# Altium PCB Ocreeb MK 2 _core _pcb.PcbDoc (part 1 of 2) (continued)
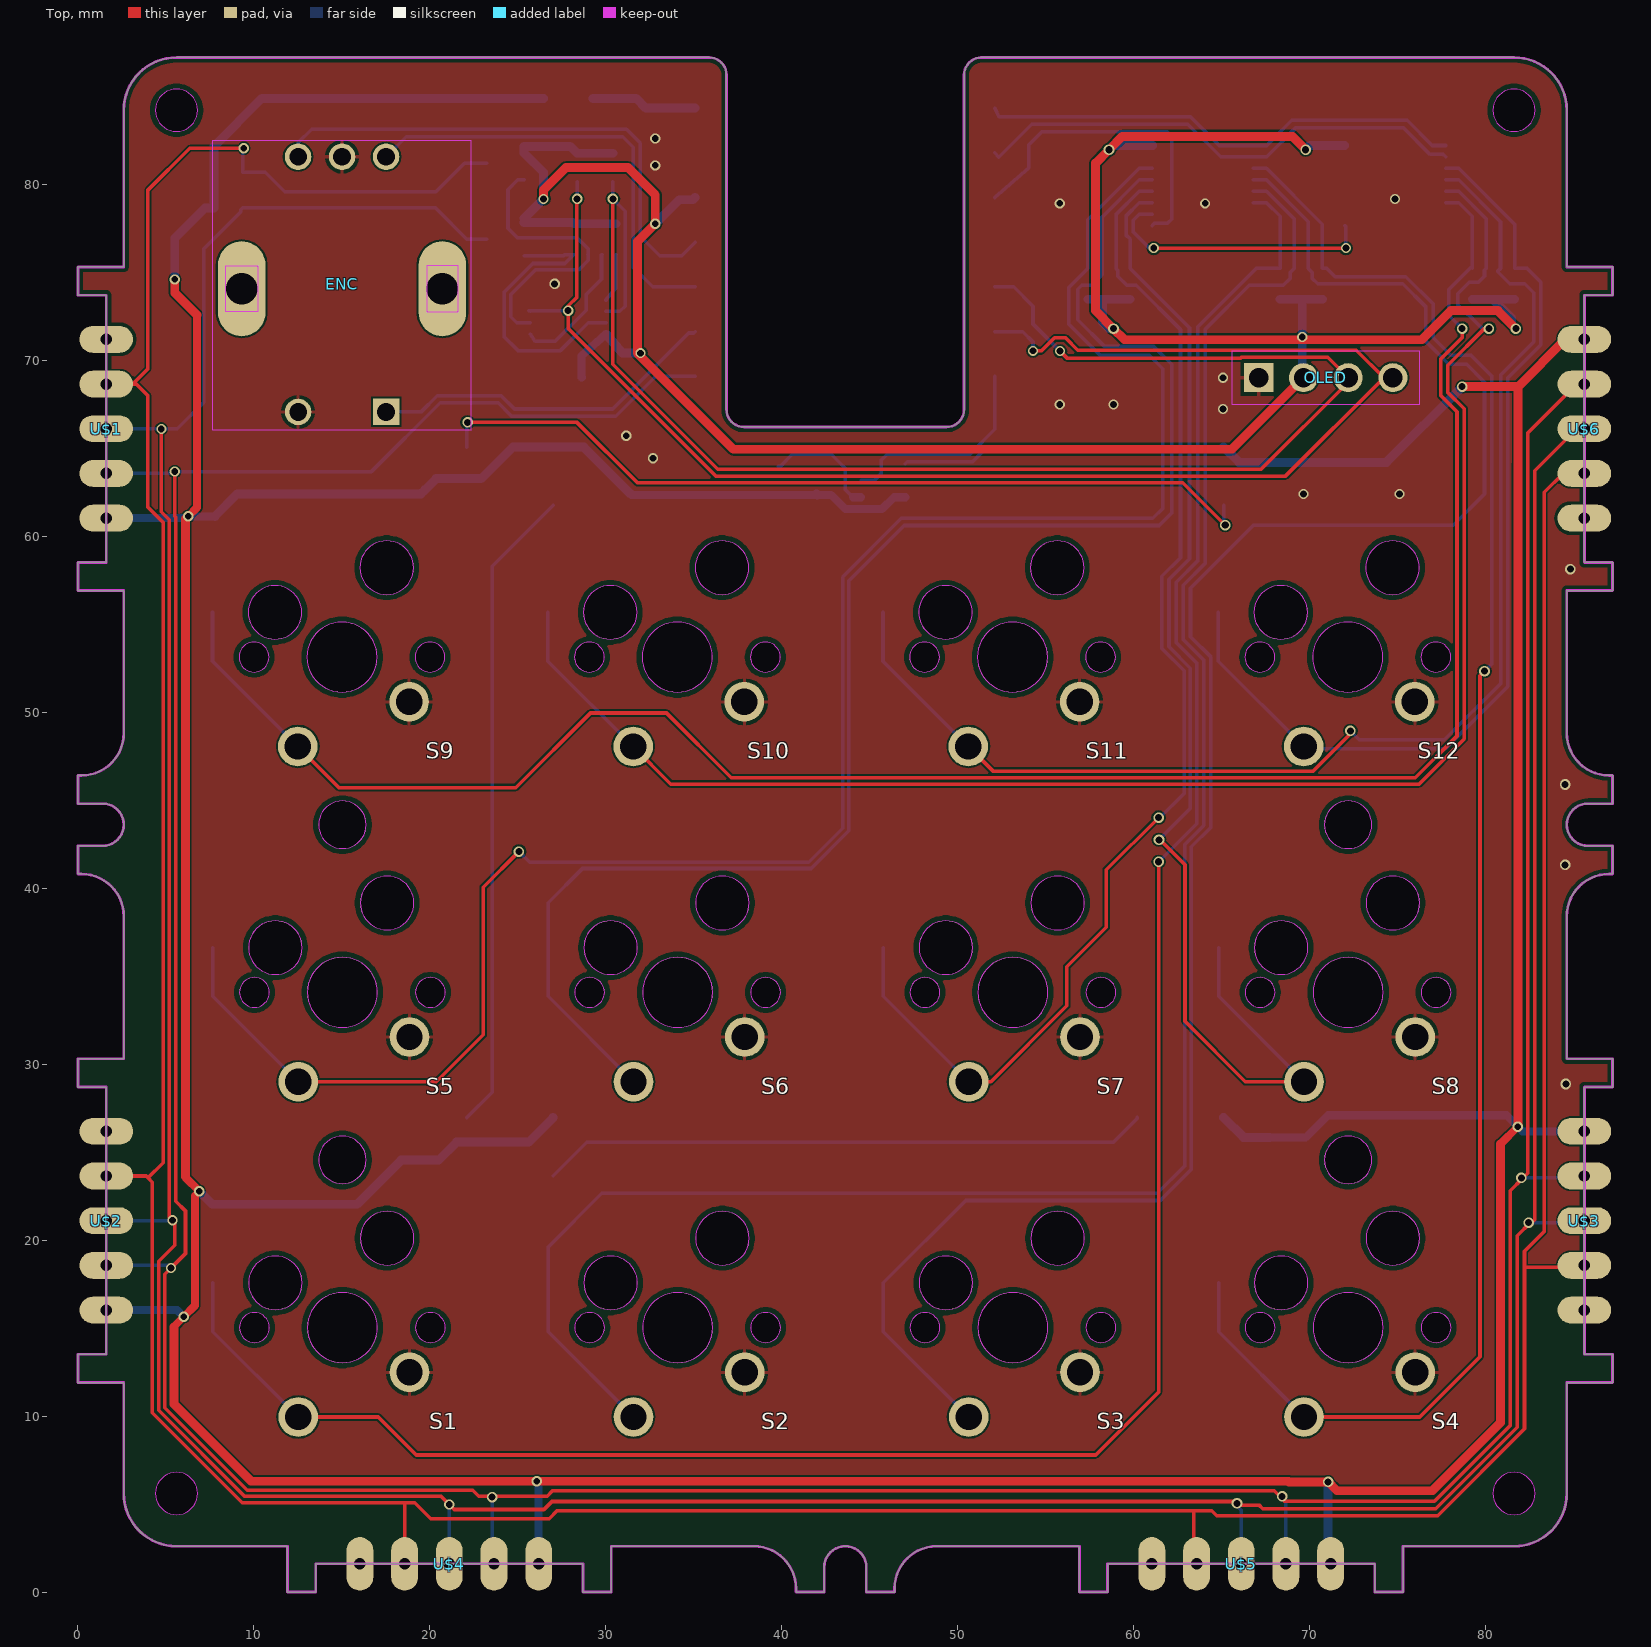
[diagram p0: Top view]
## Footprints (in the part's own frame and the unit in brackets; to place one, negate y for a bottom-side part, rotate by r counter-clockwise, add the part's x,y. Pads: shape width x height; smd on the part's side, far side on the other; paste and mask are expansions set on the pad)
5_POGO_EDGE [mil] "5_POGO_EDGE"
  oval 60x120 hole 25.59: 1(-200,0) 2(-100,0) 3(0,0) 4(100,0) 5(200,0)
1206 [mm] "1206"
  rect 1.6x1.8 smd: 1(-1.4,0) 2(1.4,0)
  Top keep-out lines w0.051: 2.4,-1.1 2.4,1.1 -2.4,1.1 -2.4,-1.1 2.4,-1.1
61300411121 [mm] "61300411121"
  rect 1.65x1.65 / inner round 1.525 / far side rect 1.65x1.65 hole 1.1: 1(-3.81,0)
  round 1.65 hole 1.1: 2(-1.27,0) 3(1.27,0) 4(3.81,0)
  Top keep-out lines w0.05: -5.33,-1.52 5.33,-1.52 5.33,1.52 -5.33,1.52 -5.33,-1.52
CAPC1608X85 [mil] "CAPC1608X85"
  rect 36.26x38.2 smd: 1(-30.5,0) 2(30.5,0)
MOUDLE14P-SMD-2.54-21X17.8MM [mm] "MOUDLE14P-SMD-2.54-21X17.8MM"
  rrect50% 2.75x2 smd: 1(0.403,18.12) 2(0.403,15.58) 3(0.403,13.04) 4(0.403,10.5) 5(0.403,7.96) 6(0.403,5.42) 7(0.403,2.88) 8(17.432,2.88) 9(17.432,5.42) 10(17.432,7.96) 11(17.432,10.5) 12(17.432,13.04) 13(17.432,15.58) 14(17.432,18.12)
  Top keep-out region: 0,0 0,20.955 17.653,20.955 17.653,0
  Top keep-out region: 12.319,18.415 12.319,21.082 14.097,21.082 14.097,18.415
  Top keep-out region: 12.319,14.351 12.319,17.018 14.097,17.018 14.097,14.351
  Top keep-out region: 3.683,14.351 3.683,17.018 5.461,17.018 5.461,14.351
  Top keep-out region: 3.683,18.415 3.683,21.082 5.461,21.082 5.461,18.415
  Top keep-out region: 6.35,0.635 6.35,3.175 12.065,3.175 12.065,0.635
  Top keep-out region: 6.35,17.78 6.35,20.32 11.43,20.32 11.43,17.78
  silkscreen extent -2.03,17.91 -1.52,18.41
PEC11R-4215F-S0024 [mm] "PEC11R-4215F-S0024"
  rect 1.508x1.508 / inner round 1.393 / far side rect 1.508x1.508 hole 1: 1(-2.5,7)
  round 1.508 hole 1: 2(2.5,7) A(-2.5,-7.5) B(2.5,-7.5) C(0,-7.5)
  oval 2.7x5.4 hole 1.8: P1(-5.7,0) P2(5.7,0)
  Top keep-out lines w0.05: 7.35,8 -7.35,8 -7.35,-8.45 7.35,-8.45 7.35,8
RESC1608X60 [mm] "RESC1608X60"
  rect 0.799x0.974 smd: 1(-0.815,0) 2(0.815,0)
RESCAF80P320X160X60-8N [mm] "RESCAF80P320X160X60-8N"
  rrect25% 0.97x0.53 smd: 1(-0.875,1.2) 2(-0.875,0.4) 3(-0.875,-0.4) 4(-0.875,-1.2) 5(0.875,-1.2) 6(0.875,-0.4) 7(0.875,0.4) 8(0.875,1.2)
  Top keep-out lines w0.05: 1.61,1.95 1.61,-1.95 -1.61,-1.95 -1.61,1.95 1.61,1.95
SOP65P490X110-8N [mil] "SOP65P490X110-8N"
  rrect25% 60x16.5 smd: 1(-84.65,38.39) 2(-84.65,12.8) 3(-84.65,-12.8) 4(-84.65,-38.39) 5(84.65,-38.39) 6(84.65,-12.8) 7(84.65,12.8) 8(84.65,38.39)
  Top keep-out lines w1.97: -123.43,68.9 -123.43,-68.9 123.43,-68.9 123.43,68.9 -123.43,68.9
SOP65P640X120-16N [mil] "SOP65P640X120-16N"
  rrect25% 60x15 smd: 1(-112.99,89.57) 2(-112.99,63.98) 3(-112.99,38.39) 4(-112.99,12.8) 5(-112.99,-12.8) 6(-112.99,-38.39) 7(-112.99,-63.98) 8(-112.99,-89.57) 9(112.99,-89.57) 10(112.99,-63.98) 11(112.99,-38.39) 12(112.99,-12.8) 13(112.99,12.8) 14(112.99,38.39) 15(112.99,63.98) 16(112.99,89.57)
  Top keep-out lines w1.97: 153.74,-108.27 153.74,108.27 -153.74,108.27 -153.74,-108.27 153.74,-108.27
SOT95P240X111-3N [mm] "SOT95P240X111-3N"
  rrect25% 1.23x0.6 smd: 1(-1.06,0.95) 2(-1.06,-0.95) 3(1.06,0)
  Top keep-out lines w0.05: 1.925,-1.7 1.925,1.7 -1.925,1.7 -1.925,-1.7 1.925,-1.7
SOT95P280X145-5N [mm] "SOT95P280X145-5N"
  rrect50% 1.21x0.59 smd: 1(-1.255,0.95) 2(-1.255,0) 3(-1.255,-0.95) 4(1.255,-0.95) 5(1.255,0.95)
  Top keep-out lines w0.05: -2.11,1.7 -2.11,-1.7 2.11,-1.7 2.11,1.7 -2.11,1.7
WS2812B [mm] "WS2812B"
  rect 1.5x0.9 smd: 1(-2.45,1.65) 2(-2.45,-1.65) 3(2.45,-1.65) 4(2.45,1.65)
? [mm] "CHERRY_MX1A-11NN_SWITCH"
  rect 2.55x2.5 smd far side: 1(-6.09,-5.08) 2(7.36,-2.54)
  round 2.25 hole 1.5: 1_ALT(-3.81,2.54) 2_ALT(2.51,5.08)

## Part data
C1 C2 C3 C4 C5 C6: library part CAPC1608X85, PackageName=CAPC1608X85, OriginalSource=Eagle
ENC: library part PEC11R-4215F-S0024, PackageName=PEC11R-4215F-S0024, OriginalSource=Eagle
F1: library part 1206, PackageName=1206, OriginalSource=Eagle
Q1 Q2: library part SOT95P240X111-3N, PackageName=SOT95P240X111-3N, OriginalSource=Eagle
R1 R2 R3 R4 R5: library part RESC1608X60, PackageName=RESC1608X60, OriginalSource=Eagle
RN1 RN2 RN3 RN4: library part RESCAF80P320X160X60-8N, PackageName=RESCAF80P320X160X60-8N, OriginalSource=Eagle
S1 S2 S3 S4 S5 S6 S7 S8 S9 S10 S11 S12: library part CHERRY_MX1A-11NN_SWITCH, PackageName=CHERRY_MX1A-11NN_SWITCH, OriginalSource=Eagle
U1: library part MOUDLE14P-SMD-2.54-21X17.8MM, PackageName=MOUDLE14P-SMD-2.54-21X17.8MM, OriginalSource=Eagle
U2 U3: library part SOP65P640X120-16N, PackageName=SOP65P640X120-16N, OriginalSource=Eagle
U4: library part SOP65P490X110-8N, PackageName=SOP65P490X110-8N, OriginalSource=Eagle
U5: library part SOT95P280X145-5N, PackageName=SOT95P280X145-5N, OriginalSource=Eagle
U$1 U$2 U$3 U$4 U$5 U$6: library part 5_POGO_EDGE, PackageName=5_POGO_EDGE, OriginalSource=Eagle
LED1 LED2 LED3 LED4: PackageName=WS2812B, OriginalSource=Eagle
OLED: PackageName=61300411121, OriginalSource=Eagle

## Free pads (board coordinates)
  round 3.988 hole 3.988 unplated: MH1(15.005,53.125) MH1(15.025,15.025) MH1(15.025,34.075) MH1(34.055,53.125) MH1(34.075,15.025) MH1(34.075,34.075) MH1(53.105,53.125) MH1(53.125,15.025) MH1(53.125,34.075) MH1(72.155,53.125) MH1(72.175,15.025) MH1(72.175,34.075)
  round 2.7 hole 2.7 unplated: MH1(72.175,43.6) MH2(15.025,43.6) MH3(15.025,24.55) MH4(72.175,24.55)
  round 1.7 hole 1.7 unplated: MH2(10.005,53.125) MH2(10.025,15.025) MH2(10.025,34.075) MH2(29.055,53.125) MH2(29.075,15.025) MH2(29.075,34.075) MH2(48.105,53.125) MH2(48.125,15.025) MH2(48.125,34.075) MH2(67.155,53.125) MH2(67.175,15.025) MH2(67.175,34.075) MH3(20.005,53.125) MH3(20.025,15.025) MH3(20.025,34.075) MH3(39.055,53.125) MH3(39.075,15.025) MH3(39.075,34.075) MH3(58.105,53.125) MH3(58.125,15.025) MH3(58.125,34.075) MH3(77.155,53.125) MH3(77.175,15.025) MH3(77.175,34.075)
  round 3.048 hole 3.048 unplated: MH4(17.545,58.205) MH4(17.565,20.105) MH4(17.565,39.155) MH4(36.595,58.205) MH4(36.615,20.105) MH4(36.615,39.155) MH4(55.645,58.205) MH4(55.665,20.105) MH4(55.665,39.155) MH4(74.695,58.205) MH4(74.715,20.105) MH4(74.715,39.155) MH5(11.195,55.665) MH5(11.215,17.565) MH5(11.215,36.615) MH5(30.245,55.665) MH5(30.265,17.565) MH5(30.265,36.615) MH5(49.295,55.665) MH5(49.315,17.565) MH5(49.315,36.615) MH5(68.345,55.665) MH5(68.365,17.565) MH5(68.365,36.615)

## Via types
v1: diameter 0.581/0.581 (per signal layer), hole 0.381, Top to Bottom, 33 vias
v2: diameter 0.6/0.6 (per signal layer), hole 0.4, Top to Bottom, 29 vias

## Nets (pads, with @x,y where several pads share a name; then routed paths per layer and width w, separated by ;. In a path a pad name is that pad's centre, name@x,y a point inside that pad or via, vN(x,y) a via of type N, cw(c..) or ccw(c..) an arc to the next point about the centre after c; other vN are vias at no path point)
3.3V: C5.2 OLED.2 Q1.1 Q2.1 R3.2 R4.2 RN1.5 RN1.6 RN1.7 RN1.8 RN2.5 RN2.6 RN2.7 RN2.8 RN3.5 RN3.6 RN3.7 RN3.8 RN4.5 RN4.6 RN4.7 RN4.8 U1.12 U2.16 U3.16 U4.8 | length 151.5
  Top w0.508: v1(26.455,79.16) 26.455,79.668 27.725,80.938 31.261,80.938 32.802,79.398 v1(32.802,77.747) 31.786,76.731 v1@31.786,70.397 ; v1(31.969,70.397) v1@31.786,70.397 ; v1(69.565,71.315) v1@69.565,71.159 ; OLED.2@69.635,69 65.571,64.936 37.247,64.936 v1@31.786,70.397 ; v2(69.762,81.954) 69,82.716 59.348,82.716 v2(58.586,81.954) 57.824,81.192 57.824,72.81 v2(58.84,71.794) 59.475,71.159 v1@69.565,71.159 ; v2(81.7,71.794) 80.684,72.81 78.017,72.81 76.366,71.159 v1@69.565,71.159
  Bottom w0.457: Q2.1@25.356,77.824 Q2.1@25.356,78.061 ; C5.2@28.627,69 28.605,69.022 28.605,70.226 U4.8@30.002,71.468
  Bottom w0.508: Q2.1@25.356,77.824 28.101,77.824 RN4.5@28.176,77.749 RN4.6@28.976,77.749 RN4.7@29.776,77.749 RN4.8@30.576,77.749 ; Q2.1@25.356,78.061 v1(26.455,79.16) 26.455,80.661 25.356,81.76 Q1.1@25.356,82.142 27.971,82.142 R3.2@28.36,81.753 R4.2@30.392,81.753 ; U4.8@30.002,71.468 30.946,70.397 v1(31.969,70.397) ; v1(32.802,77.747) 34.168,79.113 34.941,79.113 U1.12@35.068,79.24 ; RN2.8@57.386,73.459 RN2.7@58.186,73.459 RN2.7@58.205,73.459 ; v2(58.586,81.954) 58.829,82.197 U2.16@61.05,82.197 ; v2(58.84,71.794) 58.586,71.794 58.205,72.175 RN2.7@58.205,73.459 ; RN2.5@59.786,73.459 RN2.6@58.986,73.459 RN2.7@58.205,73.459 ; RN1.8@68.308,73.459 RN1.7@69.108,73.459 69.565,73.459 ; OLED.2@69.635,69 69.635,69.635 69.565,69.705 v1(69.565,71.315) 69.565,73.459 ; v2(69.762,81.954) 70.005,82.197 U3.16@71.972,82.197 ; RN1.5@70.708,73.459 RN1.6@69.908,73.459 69.565,73.459 ; RN3.8@79.23,73.459 RN3.7@80.03,73.459 80.384,73.459 ; RN3.5@81.63,73.459 RN3.6@80.83,73.459 80.384,73.459 ; v2(81.7,71.794) 81.446,72.048 81.446,72.397 80.384,73.459
5V: C1.2 C2.2 C3.2 C4.2 C6.2 F1.2 LED1.1 LED2.1 LED3.1 LED4.1 R1.2 R2.2 R5.2 U5.5 U$1.1 U$2.1 U$3.1 U$4.1 U$5.1 U$6.1 | length 363.6
  Top w0.457: 5.444,15.074 v1@6.008,15.638 ; v1(6.011,15.638) v1@6.008,15.638 ; 6.11,23.612 6.11,23.559 v1(6.897,22.772) 6.643,22.518 6.643,16.273 v1@6.008,15.638 ; v1(6.262,61.126) 6.77,61.634 6.77,72.556 ; 80.824,25.452 v1(81.814,26.442)
  Top w0.508: 5.444,15.074 5.444,10.686 9.836,6.294 v1(26.074,6.294) 68.773,6.294 68.805,6.262 v2(71.032,6.262) 71.54,5.754 76.955,5.754 80.824,9.623 80.824,25.452 ; v1(5.5,74.588) 5.5,73.826 6.77,72.556 ; 6.11,23.612 6.11,60.974 v1(6.262,61.126) ; v2(78.652,68.492) 81.827,68.492 ; v1(81.814,26.442) 81.814,64.111 81.827,64.124 81.827,68.492 ; U$6.1@85.6,71.18 84.515,71.18 81.827,68.492
  Bottom w0.457: U$1.1@1.6,61.02 6.156,61.02 v1(6.262,61.126) 7.786,61.126 ; U$2.1@1.61,16.02 5.626,16.02 6.008,15.638 v1(6.011,15.638) ; v1(26.074,6.294) 26.18,6.188 U$4.1@26.18,1.6 ; 31.421,62.383 31.461,62.343 R5.2@39.79,62.343 39.798,62.335 42.006,62.335 42.799,62.335 43.602,61.532 45.689,61.532 46.365,62.208 U5.5@47.014,62.208 ; C4.2@67.73,25.833 69.749,25.833 69.762,25.82 71.032,27.09 81.167,27.09 v1(81.814,26.442) 82.077,26.18 U$3.1@85.599,26.18
  Bottom w0.508: v1(5.5,74.588) 5.5,76.927 7.225,78.652 R2.2@7.733,78.652 R1.2@7.733,80.684 7.733,82.155 10.453,84.875 F1.2@26.452,84.875 ; v1(6.897,22.772) 7.635,22.034 15.857,22.034 18.36,24.537 C3.2@19.724,24.537 20.486,24.537 21.515,25.566 25.604,25.566 LED3.1@27,26.962 ; 7.786,61.126 9.056,62.396 19.483,62.396 C2.2@19.724,62.637 20.356,63.269 22.916,63.269 24.709,65.062 LED2.1@27,65.062 28.742,65.062 31.421,62.383 ; C6.2@41.957,62.383 C6.2@42.006,62.335 ; LED4.1@65.1,26.962 66.229,25.833 C4.2@67.73,25.833 ; LED1.1@65.1,65.062 65.975,64.187 C1.2@67.476,64.187 74.347,64.187 v2(78.652,68.492) ; v2(71.032,6.262) 71.032,1.748 U$5.1@71.18,1.6
CLK: U1.2 U2.2 U3.2 | length 28.7
  Bottom w0.203: U1.2@52.097,81.78 52.322,81.532 54.202,83.412 63.067,83.412 64.932,81.547 U2.2@66.79,81.547 67.545,81.547 69.213,83.215 75.3,83.215 76.828,81.687 77.572,81.687 U3.2@77.712,81.547
ENC_A: ENC.A U1.10 | length 25.6
  Bottom w0.203: ENC.A@17.505,81.555 18.646,82.696 30.949,82.696 31.552,82.093 31.552,75.263 32.655,74.16 U1.10@35.068,74.16
ENC_B: ENC.B U1.11 | length 30.1
  Bottom w0.203: ENC.B@12.505,81.555 12.505,82.355 13.278,83.128 31.164,83.128 31.959,82.333 31.959,77.032 33.052,75.938 34.306,75.938 U1.11@35.068,76.7
ENC_SW: ENC.1 U1.9 | length 20.1
  Bottom w0.203: ENC.1@17.505,67.055 19.49,67.055 20.419,67.984 24.042,67.984 24.804,67.222 30.392,67.222 34.71,71.54 34.988,71.54 U1.9@35.068,71.62
GND: C1.1 C2.1 C3.1 C4.1 C5.1 C6.1 ENC.2 ENC.C LED1.3 LED2.3 LED3.3 LED4.3 OLED.1 S1.1 S1.1_ALT S2.1 S2.1_ALT S3.1 S3.1_ALT S4.1 S4.1_ALT S5.1 S5.1_ALT S6.1 S6.1_ALT S7.1 S7.1_ALT S8.1 S8.1_ALT S9.1 S9.1_ALT S10.1 S10.1_ALT S11.1 S11.1_ALT S12.1 S12.1_ALT U1.13 U2.8 U2.15 U3.8 U3.10 U3.11 U3.12 U3.13 U3.14 U3.15 U4.4 U5.3 U$1.5 U$2.5 U$3.5 U$4.5 U$5.5 U$6.5
  other v1: 69.635,62.396 75.096,62.396 32.678,64.428 31.154,65.698 65.063,67.222 55.792,67.476 58.84,67.476 65.063,69 55.792,78.906 64.047,78.906 74.842,79.16 32.805,81.065 32.805,82.589
  other v2: 84.545,28.868 84.507,41.314 84.507,45.886 84.799,58.121 27.087,74.334
INTR: U1.8 U$1.2 U$2.2 U$3.2 U$4.2 U$5.2 U$6.2 | length 247.6
  Top w0.203: v1(5.5,63.666) 5.5,61.121 5.551,61.07 5.551,22.208 6.11,21.649 6.11,19.238 v1(5.286,18.414) 4.936,18.064 4.936,10.476 9.626,5.786 22.436,5.786 22.772,5.449 v2@23.534,5.449 ; v2(23.534,5.395) v2@23.534,5.449 ; v2(68.419,5.431) v2@68.419,5.297 ; v2(82.021,23.534) 82.053,23.534 v2@82.081,23.506 ; U$6.2@85.6,68.64 85.168,68.64 82.386,65.858 82.386,63.892 82.373,63.88 82.373,23.798 v2@82.081,23.506 ; v2@23.534,5.449 26.665,5.449 26.963,5.748 67.968,5.748 v2@68.419,5.297 ; v2@68.419,5.297 68.558,5.158 77.077,5.158 81.383,9.463 81.383,22.801 82.081,23.499 v2@82.081,23.506
  Bottom w0.203: U$1.2@1.6,63.56 5.394,63.56 v1(5.5,63.666) 16.676,63.666 20.588,67.578 23.874,67.578 24.636,66.816 30.561,66.816 32.825,69.08 U1.8@35.068,69.08 ; U$2.2@1.61,18.56 5.14,18.56 v1(5.286,18.414) ; v2(23.534,5.395) 23.534,1.706 U$4.2@23.64,1.6 ; v2(68.419,5.431) 68.455,5.395 68.502,5.395 68.64,5.257 U$5.2@68.64,1.6 ; v2(82.021,23.534) 85.493,23.534 U$3.2@85.599,23.64
LD: U1.1 U2.1 U3.1 | length 27.8
  Bottom w0.203: U1.1@52.097,84.32 52.341,83.818 63.236,83.818 64.857,82.197 U2.1@66.79,82.197 67.552,82.197 68.976,83.621 75.526,83.621 76.95,82.197 U3.1@77.712,82.197
N$1: RN4.1 U4.5 | length 2.8
  Bottom w0.203: U4.5@30.002,73.418 30.549,74.092 30.549,75.972 RN4.1@30.576,75.999
N$2: R5.1 U5.1 | length 6.7
  Bottom w0.203: R5.1@39.79,63.973 39.917,63.973 40.591,64.647 42.802,64.647 43.6,63.849 43.6,62.65 U5.1@44.042,62.208
  Bottom w0.457: U5.1@44.042,62.208 U5.1@44.504,62.208
N$3: LED1.2 LED2.4 | length 48.1
  Top w0.203: v2(22.137,66.46) 28.36,66.46 31.789,63.031 62.777,63.031 v2(65.19,60.618)
  Bottom w0.203: LED2.4@22.1,65.062 22.1,66.423 v2(22.137,66.46) ; LED1.2@65.1,61.762 65.1,60.708 v2(65.19,60.618)
N$12: LED2.2 LED3.4 | length 36.8
  Bottom w0.203: LED3.4@22.1,26.962 23.534,28.396 23.534,58.296 LED2.2@27,61.762
N$13: LED3.2 LED4.4 | length 34.6
  Bottom w0.203: LED3.2@27,23.662 28.904,25.566 58.84,25.566 60.2,26.926 LED4.4@60.2,26.962
N$15: RN4.2 U4.1 | length 7.7
  Bottom w0.203: U4.1@25.702,71.468 25.978,71.065 27.108,71.065 28.886,72.843 28.886,73.728 29.749,74.591 29.749,75.972 RN4.2@29.776,75.999
PIXEL: U1.7 U5.2 | length 12.3
  Bottom w0.203: U5.2@44.504,63.158 45.251,63.158 45.632,63.539 45.632,64.301 45.988,64.657 50.687,64.657 52.097,66.067 U1.7@52.097,69.08
PIXEL_5V: LED1.4 U5.4 | length 13.6
  Bottom w0.203: U5.4@47.014,64.108 47.141,64.235 50.84,64.235 51.667,65.062 LED1.4@60.2,65.062
SCL: OLED.4 R3.1 U1.6 U4.3 | length 87.6
  Top w0.203: v2(28.36,79.16) 28.351,79.151 28.351,73.582 27.852,73.082 v2(27.852,72.81) 27.852,71.794 36.234,63.412 68.619,63.412 OLED.4@74.207,69 ; v1(54.268,70.524) 54.753,70.524 55.492,71.263 56.113,71.263 56.81,70.566 72.641,70.566 OLED.4@74.207,69 ; OLED.4@74.715,69 OLED.4@74.207,69
  Bottom w0.203: U4.3@25.702,72.768 25.617,72.81 v2(27.852,72.81) ; v2(28.36,79.16) R3.1@28.36,80.123 ; U1.6@52.097,71.62 53.68,71.62 54.268,71.032 v1(54.268,70.524)
SCL_OUT: Q1.2 RN4.3 U4.2 | length 16.8
  Bottom w0.203: Q1.2@25.356,80.242 24.997,80.242 24.436,79.681 24.436,77.496 24.973,76.959 28.358,76.959 29,76.318 29,76.023 RN4.3@28.976,75.999 29,75.975 29,75.669 28.466,75.135 25.994,75.135 24.586,73.728 24.586,72.458 24.926,72.118 U4.2@25.702,72.118
SCL_OUT_5V: Q1.3 R1.1 U$1.4 U$2.4 U$3.4 U$4.4 U$5.4 U$6.4 | length 247.1
  Top w0.203: U$1.4@1.6,68.64 U$1.4@3.108,68.64 ; U$2.4@1.61,23.64 3.87,23.64 3.976,23.534 ; v1(9.425,82.039) 6.347,82.039 3.976,79.668 3.976,69.508 U$1.4@3.108,68.64 ; U$4.4@18.56,1.6 18.56,5.045 18.59,5.075 ; U$5.4@63.56,1.6 63.412,1.748 63.412,4.611 ; U$3.4@85.599,18.56 85.493,18.454 82.195,18.454 ; U$6.4@85.6,63.56 84.388,63.56 83.313,62.485 83.313,20.486 82.195,19.369 82.195,18.454 ; U$1.4@3.108,68.64 3.32,68.64 3.976,67.984 3.976,61.639 4.84,60.776 4.84,24.398 3.976,23.534 ; 3.976,23.534 4.225,23.285 4.225,10.181 9.331,5.075 18.59,5.075 ; 18.59,5.075 19.134,5.075 20.042,4.167 26.773,4.167 27.217,4.611 63.412,4.611 ; 63.412,4.611 64.428,4.611 64.708,4.332 77.257,4.332 82.195,9.27 82.195,18.454
  Bottom w0.203: v1(9.425,82.039) 9.363,81.977 R1.1@9.363,80.684 10.633,80.684 11.751,79.567 20.341,79.567 21.966,81.192 Q1.3@23.236,81.192
SDA: OLED.3 R4.1 U1.5 U4.6 | length 87.4
  Top w0.203: v2(30.392,79.16) 30.392,78.342 30.385,78.335 30.385,69.764 36.356,63.793 67.222,63.793 72.175,68.746 OLED.3@72.175,69 71.016,70.16 66.114,70.16 66.072,70.118 56.199,70.118 v1(55.803,70.514)
  Bottom w0.203: U4.6@30.002,72.768 30.794,72.768 31.095,73.069 31.095,78.457 v2(30.392,79.16) R4.1@30.392,80.123 ; U1.5@52.097,74.16 53.172,74.16 54.268,73.064 54.268,72.048 v1(55.803,70.514)
SDA_OUT: Q2.2 RN4.4 U4.7 | length 17
  Bottom w0.203: Q2.2@25.356,75.924 27.593,75.924 27.668,75.999 RN4.4@28.176,75.999 27.668,75.491 25.846,75.491 24.231,73.875 24.231,71.315 25.003,70.542 27.414,70.542 28.99,72.118 U4.7@30.002,72.118
SDA_OUT_5V: Q2.3 R2.1 U$1.3 U$2.3 U$3.3 U$4.3 U$5.3 U$6.3 | length 243.8
  Top w0.203: v1(4.738,66.086) 4.738,61.38 5.195,60.923 5.195,21.299 v1(5.373,21.121) 5.5,20.994 5.5,19.706 4.581,18.787 4.581,10.328 9.479,5.43 20.639,5.43 v1(21.099,4.97) 21.381,4.687 26.477,4.687 26.935,5.145 65.606,5.145 65.809,4.941 v2@65.86,4.941 ; v2(65.86,5.04) v2@65.86,4.941 ; v2(82.427,20.994) v2@82.538,20.994 ; U$6.3@85.6,66.1 85.168,66.1 82.78,63.712 82.78,21.153 82.64,21.013 82.64,20.994 v2@82.538,20.994 ; v2@65.86,4.941 67.11,4.941 67.328,4.723 77.146,4.723 81.789,9.367 81.789,20.245 v2@82.538,20.994
  Bottom w0.203: U$1.3@1.6,66.1 v1@4.724,66.1 ; U$2.3@1.61,21.1 5.352,21.1 v1(5.373,21.121) ; v1(4.738,66.086) v1@4.724,66.1 ; v1(21.099,4.97) 21.1,4.969 U$4.3@21.1,1.6 ; Q2.3@23.236,76.874 22.093,76.874 20.315,78.652 R2.1@9.363,78.652 9.25,78.539 9.25,78.421 7.142,76.313 7.142,67.594 5.648,66.1 v1@4.724,66.1 ; v2(65.86,5.04) 65.86,4.881 66.1,4.641 U$5.3@66.1,1.6 ; v2(82.427,20.994) 85.493,20.994 U$3.3@85.599,21.1
SER: U2.10 U3.9 | length 15.7
  Top w0.203: v1(61.126,76.366) v1(72.048,76.366)
  Bottom w0.203: U2.10@61.05,78.297 61.037,78.284 60.296,78.284 59.96,77.948 59.96,77.278 60.872,76.366 v1(61.126,76.366) ; U3.9@71.972,77.647 72.048,77.571 v1(72.048,76.366)
SH_DATA: U1.3 U2.9 | length 18.3
  Bottom w0.203: U1.3@52.097,79.24 54.014,80.919 54.014,82.208 54.776,82.97 61.888,82.97 62.142,82.716 62.142,77.998 61.931,77.787 61.19,77.787 U2.9@61.05,77.647
SW1: RN1.1 S1.2 S1.2_ALT U2.6 | length 134.2
  Top w0.203: S1.2_ALT@12.515,9.945 17.057,9.945 19.216,7.786 57.824,7.786 61.406,11.368 v2(61.406,41.496)
  Bottom w0.203: S1.2@7.665,17.565 7.665,14.795 S1.2_ALT@12.515,9.945 ; v2(61.406,41.496) 63.565,43.655 63.565,52.79 62.402,53.952 62.402,57.378 63.639,58.615 63.639,71.904 66.944,75.209 RN1.1@68.308,75.209 68.308,78.17 67.531,78.947 U2.6@66.79,78.947
SW2: RN1.2 S2.2 S2.2_ALT U2.5 | length 111.2
  Bottom w0.203: S2.2_ALT@31.565,9.945 26.715,14.795 S2.2@26.715,17.565 26.715,19.603 29.765,22.653 61.33,22.653 62.901,24.224 62.901,42.488 63.971,43.558 63.971,52.958 62.809,54.121 62.809,57.21 64.045,58.446 64.045,71.735 66.559,74.249 68.49,74.249 68.878,74.637 68.878,74.979 RN1.2@69.108,75.209 69.108,78.02 67.531,79.597 U2.5@66.79,79.597
SW3: RN1.3 S3.2 S3.2_ALT U2.4 | length 109.9
  Bottom w0.203: S3.2_ALT@50.615,9.945 45.765,14.795 S3.2@45.765,17.565 50.447,22.247 61.499,22.247 63.256,24.005 63.256,42.341 64.377,43.462 64.377,53.127 63.215,54.289 63.215,57.041 66.792,60.618 78.144,60.618 79.922,62.396 79.922,68.746 78.906,69.762 77.89,69.762 76.595,71.058 76.595,73.023 75.283,74.334 70.441,74.334 70.138,74.637 70.138,74.979 RN1.3@69.908,75.209 69.908,77.87 67.531,80.247 U2.4@66.79,80.247
SW4: RN1.4 S4.2 S4.2_ALT U2.3 | length 98.1
  Top w0.203: S4.2_ALT@69.665,9.945 76.239,9.945 79.668,13.374 79.668,52.073 v2(79.922,52.327)
  Bottom w0.203: S4.2@64.815,17.565 64.815,14.795 S4.2_ALT@69.665,9.945 ; U2.3@66.79,80.897 67.531,80.897 70.708,77.72 RN1.4@70.708,75.209 70.962,75.209 71.431,74.741 75.452,74.741 77.001,73.191 77.001,71.28 78.011,70.27 79.16,70.27 80.329,69.102 80.329,52.733 v2(79.922,52.327)
SW5: RN2.1 S5.2 S5.2_ALT U2.14 | length 111.6
  Top w0.203: S5.2_ALT@12.515,28.995 20.359,28.995 23.026,31.662 23.026,40.044 v2(25.058,42.076)
  Bottom w0.203: S5.2@7.665,36.615 7.665,33.845 S5.2_ALT@12.515,28.995 ; v2(25.058,42.076) 25.668,41.467 41.517,41.467 43.448,43.397 43.448,57.672 46.783,61.007 61.076,61.007 61.634,61.565 61.634,69.508 60.872,70.27 58.078,70.27 56.3,72.048 56.3,74.123 RN2.1@57.386,75.209 57.386,77.974 60.309,80.897 U2.14@61.05,80.897
SW6: RN2.2 S6.2 S6.2_ALT U2.13 | length 90.4
  Bottom w0.203: S6.2_ALT@31.565,28.995 26.715,33.845 S6.2@26.715,36.615 26.715,39.161 28.665,41.111 41.665,41.111 43.803,43.25 43.803,57.453 46.952,60.601 61.432,60.601 62.142,61.311 62.142,69.762 61.126,70.778 58.332,70.778 56.816,72.294 56.816,74.032 57.034,74.249 57.568,74.249 58.186,74.867 RN2.2@58.186,75.209 58.186,78.124 60.309,80.247 U2.13@61.05,80.247
SW7: RN2.3 S7.2 S7.2_ALT U2.12 | length 70.2
  Top w0.203: S7.2_ALT@50.615,28.995 51.876,28.995 56.186,33.305 56.186,35.531 58.434,37.779 58.434,41.034 v2(61.405,44.005)
  Bottom w0.203: S7.2@45.765,36.615 45.765,33.845 S7.2_ALT@50.615,28.995 ; U2.12@61.05,79.597 60.309,79.597 58.986,78.274 RN2.3@58.986,75.209 59.089,75.106 59.089,74.764 59.604,74.249 60.139,74.249 62.65,71.737 62.65,58.775 61.59,57.715 61.59,53.616 62.853,52.352 62.853,45.378 61.443,43.967 v2(61.405,44.005)
SW8: RN2.4 S8.2 S8.2_ALT U2.11 | length 69.3
  Top w0.203: v2(61.426,42.743) 61.454,42.771 62.904,41.322 62.904,32.424 66.333,28.995 S8.2_ALT@69.665,28.995
  Bottom w0.203: U2.11@61.05,78.947 60.309,78.947 59.554,78.192 59.554,77.11 59.786,76.877 RN2.4@59.786,75.209 63.158,71.837 63.158,58.708 61.996,57.546 61.996,53.712 63.209,52.499 63.209,44.526 v2(61.426,42.743) ; S8.2@64.815,36.615 64.815,33.845 S8.2_ALT@69.665,28.995
SW9: RN3.1 S9.2 S9.2_ALT U3.6 | length 114
  Top w0.203: S9.2_ALT@12.495,48.045 14.831,45.71 24.882,45.71 29.122,49.95 33.44,49.95 37.127,46.263 75.981,46.263 78.361,48.643 78.361,67.059 77.433,67.987 77.433,70.067 78.652,71.286 v2(78.652,71.794)
  Bottom w0.203: S9.2@7.645,55.665 7.645,52.895 S9.2_ALT@12.495,48.045 ; U3.6@77.712,78.947 78.453,78.947 79.23,78.17 RN3.1@79.23,75.35 ; v2(78.652,71.794) 77.89,72.556 77.89,74.01 RN3.1@79.23,75.35 ; RN3.1@79.23,75.209 RN3.1@79.23,75.35
SW10: RN3.2 S10.2 S10.2_ALT U3.5 | length 94.8
  Top w0.203: S10.2_ALT@31.545,48.045 33.683,45.907 76.2,45.907 78.767,48.474 78.767,67.228 77.839,68.156 77.839,69.711 79.922,71.794 v2(80.176,71.794)
  Bottom w0.203: S10.2@26.695,55.665 26.695,52.895 S10.2_ALT@31.545,48.045 ; U3.5@77.712,79.597 78.453,79.597 80.03,78.02 RN3.2@80.03,75.209 79.922,75.101 79.922,74.759 79.583,74.419 79.048,74.419 78.398,73.769 78.398,73.149 78.94,72.607 78.989,72.607 79.801,71.794 v2(80.176,71.794)
SW11: RN3.3 S11.2 S11.2_ALT U3.4 | length 75.6
  Top w0.203: S11.2_ALT@50.595,48.045 51.992,46.648 70.198,46.648 72.302,48.752 v2(72.302,48.934)
  Bottom w0.203: S11.2@45.745,55.665 45.745,52.895 S11.2_ALT@50.595,48.045 ; v2(72.302,48.934) 72.81,48.426 77.636,48.426 80.837,51.627 80.837,69.153 82.716,71.032 82.716,73.826 82.208,74.334 81.363,74.334 80.684,75.013 80.684,75.063 RN3.3@80.83,75.209 80.83,77.87 78.453,80.247 U3.4@77.712,80.247
SW12: RN3.4 S12.2 S12.2_ALT U3.3 | length 56.1
  Bottom w0.203: S12.2@64.795,55.665 64.795,52.895 S12.2_ALT@69.645,48.045 69.772,47.918 77.703,47.918 81.243,51.458 81.243,68.984 83.123,70.864 83.123,74.436 82.349,75.209 RN3.4@81.63,75.209 81.63,77.72 78.453,80.897 U3.3@77.712,80.897
USB_5V: F1.1 U1.14 | length 6
  Bottom w0.508: F1.1@29.252,84.875 31.719,84.875 32.274,84.32 U1.14@35.068,84.32
pads on no net: ENC.P1 ENC.P2 LED4.2 U1.4 U2.7 U3.7

## Polygon pours and split planes (outlines as drawn)
GND on Bottom "Polygon_1_Net_GND" (solid, remove dead copper, pour order 301): 87.796,-0.596 87.796,88.812 87.542,88.812 87.542,89.066 -1.358,89.066 -1.358,-0.596
no net on bPlace "Polygon_145_NoNet" (solid, pour order 43): 81.432,16.02 81.725,16.02 81.725,16.334 81.528,16.334 81.5,16.331 81.473,16.321 81.45,16.3 81.437,16.274 81.432,16.246
no net on bPlace "Polygon_144_NoNet" (solid, pour order 45): 82.356,21.1 82.649,21.1 82.649,21.414 82.452,21.414 82.424,21.411 82.397,21.401 82.376,21.382 82.361,21.355 82.356,21.325
no net on bPlace "Polygon_143_NoNet" (solid, pour order 127): 78 vertices, not listed, extent 81.36,20.944 81.792,21.424
no net on bPlace "Polygon_142_NoNet" (solid, pour order 108): 80 vertices, not listed, extent 82.226,26.024 82.674,26.364
no net on bPlace "Polygon_141_NoNet" (solid, pour order 10): 81.523,15.72 81.725,15.72 81.725,16.02 81.432,16.02 81.432,15.814 81.435,15.783 81.449,15.757 81.468,15.738 81.493,15.724
no net on bPlace "Polygon_140_NoNet" (solid, pour order 140): 79 vertices, not listed, extent 81.314,20.823 81.838,21.255
no net on bPlace "Polygon_139_NoNet" (solid, pour order 16): 82.447,20.8 82.649,20.8 82.649,21.1 82.356,21.1 82.356,20.894 82.359,20.865 82.372,20.837 82.392,20.818 82.417,20.804
no net on bPlace "Polygon_138_NoNet" (solid, pour order 121): 77 vertices, not listed, extent 81.364,25.857 81.793,26.335
no net on bPlace "Polygon_137_NoNet" (solid, pour order 290): 480 vertices, not listed, extent 80.663,23.548 85.602,26.18
no net on bPlace "Polygon_136_NoNet" (solid, pour order 280): 586 vertices, not listed, extent 80.663,21.1 85.602,23.738
no net on bPlace "Polygon_135_NoNet" (solid, pour order 98): 77 vertices, not listed, extent 82.457,23.484 82.805,23.893
no net on bPlace "Polygon_134_NoNet" (solid, pour order 69): 65 vertices, not listed, extent 82.202,23.402 82.542,23.795
no net on bPlace "Polygon_133_NoNet" (solid, pour order 274): 850 vertices, not listed, extent 80.663,18.56 85.602,21.1
no net on bPlace "Polygon_132_NoNet" (solid, pour order 251): 825 vertices, not listed, extent 80.663,15.928 85.602,18.56
no net on bPlace "Polygon_131_NoNet" (solid, pour order 228): 385 vertices, not listed, extent 80.663,14.849 85.602,16.118
no net on bPlace "Polygon_130_NoNet" (solid, pour order 99): 77 vertices, not listed, extent 82.457,15.864 82.805,16.273
no net on bPlace "Polygon_129_NoNet" (solid, pour order 68): 65 vertices, not listed, extent 82.202,15.782 82.542,16.175
no net on bPlace "Polygon_128_NoNet" (solid, pour order 174): 113 vertices, not listed, extent 83.125,15.565 83.727,16.174
no net on bPlace "Polygon_127_NoNet" (solid, pour order 236): 222 vertices, not listed, extent 80.663,26.18 85.602,27.351
no net on bPlace "Polygon_126_NoNet" (solid, pour order 42): 81.432,61.02 81.725,61.02 81.725,61.334 81.528,61.334 81.5,61.332 81.471,61.32 81.449,61.298 81.437,61.274 81.432,61.246
no net on bPlace "Polygon_125_NoNet" (solid, pour order 44): 82.356,66.1 82.649,66.1 82.649,66.414 82.452,66.414 82.424,66.412 82.395,66.4 82.375,66.38 82.361,66.356 82.356,66.325
no net on bPlace "Polygon_124_NoNet" (solid, pour order 128): 78 vertices, not listed, extent 81.36,65.945 81.792,66.425
no net on bPlace "Polygon_123_NoNet" (solid, pour order 107): 80 vertices, not listed, extent 82.226,71.025 82.674,71.363
no net on bPlace "Polygon_122_NoNet" (solid, pour order 11): 81.523,60.72 81.725,60.72 81.725,61.02 81.432,61.02 81.432,60.815 81.435,60.783 81.449,60.758 81.468,60.738 81.495,60.724
no net on bPlace "Polygon_121_NoNet" (solid, pour order 138): 79 vertices, not listed, extent 81.314,65.823 81.838,66.255
no net on bPlace "Polygon_120_NoNet" (solid, pour order 17): 82.447,65.8 82.649,65.8 82.649,66.1 82.356,66.1 82.356,65.894 82.359,65.866 82.371,65.838 82.393,65.816 82.419,65.804
no net on bPlace "Polygon_119_NoNet" (solid, pour order 122): 77 vertices, not listed, extent 81.364,70.858 81.792,71.335
no net on bPlace "Polygon_118_NoNet" (solid, pour order 291): 476 vertices, not listed, extent 80.663,68.549 85.602,71.18
no net on bPlace "Polygon_117_NoNet" (solid, pour order 281): 585 vertices, not listed, extent 80.663,66.1 85.602,68.738
no net on bPlace "Polygon_116_NoNet" (solid, pour order 101): 77 vertices, not listed, extent 82.457,68.485 82.805,68.893
no net on bPlace "Polygon_115_NoNet" (solid, pour order 70): 65 vertices, not listed, extent 82.202,68.402 82.542,68.795
no net on bPlace "Polygon_114_NoNet" (solid, pour order 275): 851 vertices, not listed, extent 80.663,63.56 85.602,66.1
no net on bPlace "Polygon_113_NoNet" (solid, pour order 250): 826 vertices, not listed, extent 80.663,60.929 85.602,63.56
no net on bPlace "Polygon_112_NoNet" (solid, pour order 229): 385 vertices, not listed, extent 80.663,59.849 85.602,61.118
no net on bPlace "Polygon_111_NoNet" (solid, pour order 100): 77 vertices, not listed, extent 82.457,60.865 82.805,61.273
no net on bPlace "Polygon_110_NoNet" (solid, pour order 71): 65 vertices, not listed, extent 82.202,60.782 82.542,61.175
no net on bPlace "Polygon_109_NoNet" (solid, pour order 173): 113 vertices, not listed, extent 83.125,60.566 83.727,61.175
no net on bPlace "Polygon_108_NoNet" (solid, pour order 237): 221 vertices, not listed, extent 80.663,71.18 85.602,72.351
no net on bPlace "Polygon_107_NoNet" (solid, pour order 194): 67 vertices, not listed, extent 31.6,5.545 32.616,6.821
no net on bPlace "Polygon_106_NoNet" (solid, pour order 188): 118 vertices, not listed, extent 33.199,5.517 33.988,6.821
no net on bPlace "Polygon_105_NoNet" (solid, pour order 186): 189 vertices, not listed, extent 34.326,6.2 35.501,6.849
no net on bPlace "Polygon_104_NoNet" (solid, pour order 187): 182 vertices, not listed, extent 34.326,5.517 35.504,6.2
no net on bPlace "Polygon_103_NoNet" (solid, pour order 181): 41 vertices, not listed, extent 36.605,6.2 36.928,7.363
no net on bPlace "Polygon_102_NoNet" (solid, pour order 170): 132 vertices, not listed, extent 35.78,5.517 36.709,6.2
no net on bPlace "Polygon_101_NoNet" (solid, pour order 190): 115 vertices, not listed, extent 37.346,5.545 38.195,6.849
no net on bPlace "Polygon_100_NoNet" (solid, pour order 191): 189 vertices, not listed, extent 38.752,5.517 39.903,6.29
no net on bPlace "Polygon_99_NoNet" (solid, pour order 183): 190 vertices, not listed, extent 38.753,6.29 39.903,6.849
no net on bPlace "Polygon_98_NoNet" (solid, pour order 182): 40 vertices, not listed, extent 40.973,6.2 41.342,7.363
no net on bPlace "Polygon_97_NoNet" (solid, pour order 171): 131 vertices, not listed, extent 40.193,5.517 41.162,6.2
no net on bPlace "Polygon_96_NoNet" (solid, pour order 189): 143 vertices, not listed, extent 42.482,5.545 43.373,6.849
no net on bPlace "Polygon_95_NoNet" (solid, pour order 9): 35 vertices, not listed, extent 43.95,7.047 44.266,7.368
no net on bPlace "Polygon_94_NoNet" (solid, pour order 184): 43.973,5.545 44.244,5.545 44.244,6.821 43.973,6.821
no net on bPlace "Polygon_93_NoNet" (solid, pour order 192): 41 vertices, not listed, extent 44.543,5.545 44.983,7.363
no net on bPlace "Polygon_92_NoNet" (solid, pour order 193): 247 vertices, not listed, extent 45.423,5.912 46.481,6.849
no net on bPlace "Polygon_91_NoNet" (solid, pour order 147): 86 vertices, not listed, extent 45.464,5.517 46.475,5.912
no net on bPlace "Polygon_90_NoNet" (solid, pour order 195): 347 vertices, not listed, extent 46.744,5.517 47.769,6.849
no net on bPlace "Polygon_89_NoNet" (solid, pour order 197): 548 vertices, not listed, extent 48.048,5.246 49.944,7.283
no net on bPlace "Polygon_88_NoNet" (solid, pour order 133): 102 vertices, not listed, extent 48.667,6.256 49.477,6.781
no net on bPlace "Polygon_87_NoNet" (solid, pour order 234): 84 vertices, not listed, extent 51.632,6.205 55.6,7.611
no net on bPlace "Polygon_86_NoNet" (solid, pour order 235): 87 vertices, not listed, extent 51.632,4.8 55.6,6.206
no net on bPlace "Polygon_85_NoNet" (solid, pour order 0): 31.073,44.46 31.299,44.092 31.299,44.46
no net on bPlace "Polygon_84_NoNet" (solid, pour order 106): 82 vertices, not listed, extent 32.65,44.221 33.037,44.616
no net on bPlace "Polygon_83_NoNet" (solid, pour order 298): 334 vertices, not listed, extent 27.6,42.314 34.476,44.482
no net on bPlace "Polygon_82_NoNet" (solid, pour order 249): 351 vertices, not listed, extent 27.6,44.37 34.476,45.808
no net on bPlace "Polygon_81_NoNet" (solid, pour order 218): 282 vertices, not listed, extent 35.807,44.46 39.097,47.336
no net on bPlace "Polygon_80_NoNet" (solid, pour order 221): 313 vertices, not listed, extent 35.786,42.212 39.097,44.46
no net on bPlace "Polygon_79_NoNet" (solid, pour order 210): 256 vertices, not listed, extent 39.995,44.46 43.29,45.89
no net on bPlace "Polygon_78_NoNet" (solid, pour order 220): 304 vertices, not listed, extent 39.978,42.212 43.317,44.461
no net on bPlace "Polygon_77_NoNet" (solid, pour order 211): 255 vertices, not listed, extent 44.088,44.46 47.379,45.89
no net on bPlace "Polygon_76_NoNet" (solid, pour order 219): 305 vertices, not listed, extent 44.068,42.212 47.41,44.46
no net on bPlace "Polygon_75_NoNet" (solid, pour order 213): 163 vertices, not listed, extent 48.041,44.46 51.352,45.811
no net on bPlace "Polygon_74_NoNet" (solid, pour order 215): 66 vertices, not listed, extent 48.387,42.294 51.352,44.46
no net on bPlace "Polygon_73_NoNet" (solid, pour order 206): 222 vertices, not listed, extent 52.262,44.46 55.364,45.89
no net on bPlace "Polygon_72_NoNet" (solid, pour order 214): 246 vertices, not listed, extent 52.206,42.212 55.394,44.46
no net on bPlace "Polygon_71_NoNet" (solid, pour order 212): 252 vertices, not listed, extent 56.192,44.46 59.571,45.89
no net on bPlace "Polygon_70_NoNet" (solid, pour order 217): 328 vertices, not listed, extent 56.165,42.212 59.6,44.46